# KiCad board SevenSegment.kicad_pcb (continued)
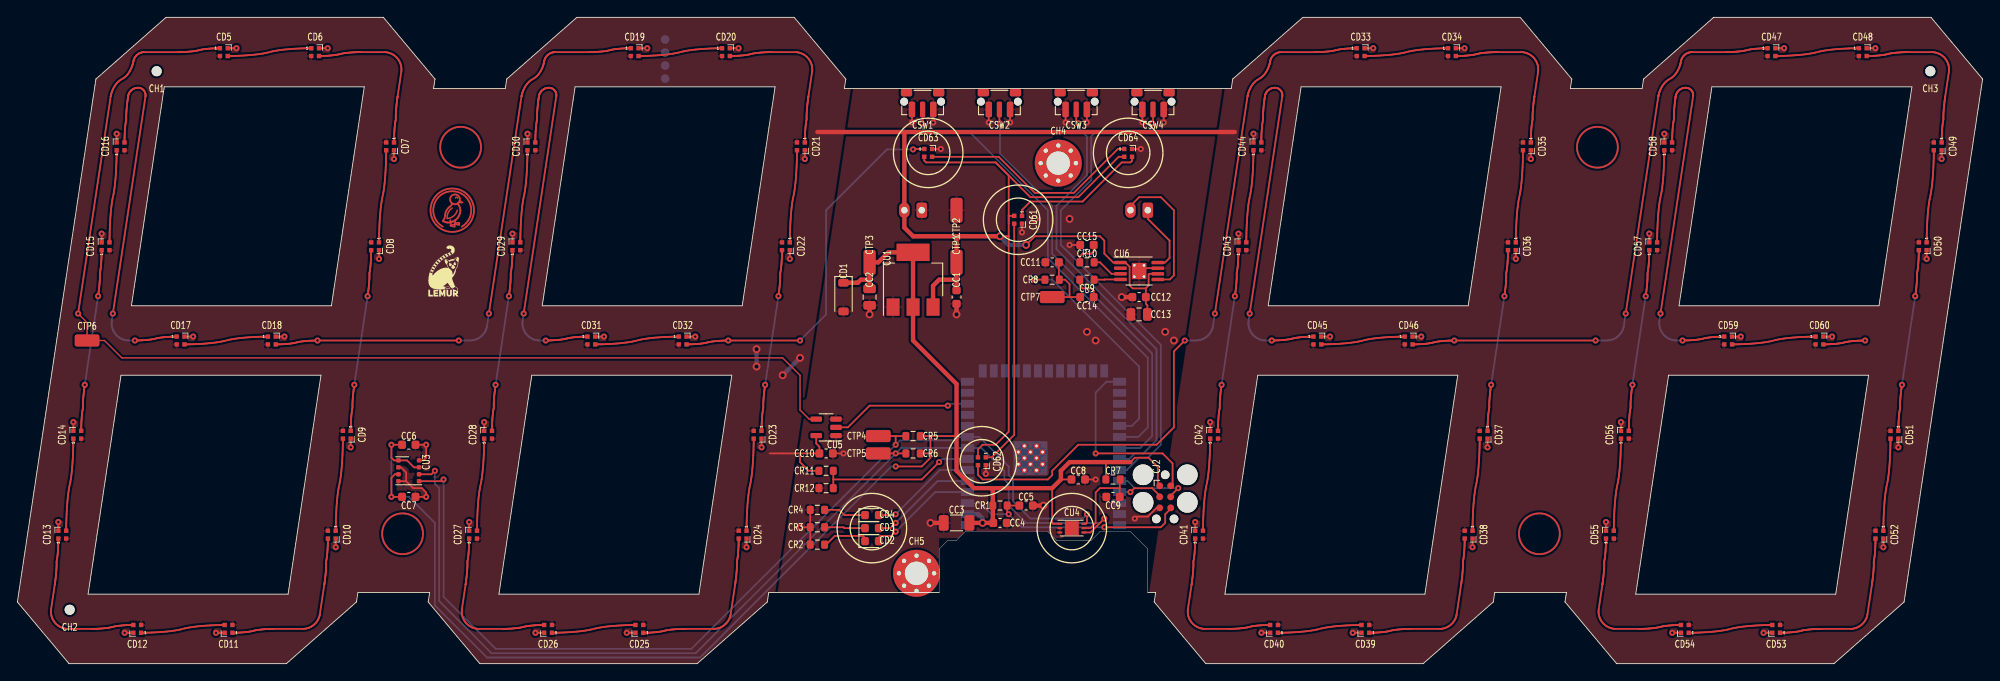
[diagram p0: board, top side]
## Routing (per net, layer and track width the routed paths; a pad name or vN(x,y) marks a point on that pad's centre or on a via; arc(x,y) is an arc through that point) (continued)
digit[3].led[12].dout: length 9.5
  Top w0.2: 197.31,36.75 197.37,36.75 197.46,36.75 197.56,36.75 197.67,36.76 197.8,36.76 197.94,36.76 198.1,36.77 198.26,36.77 198.44,36.78 198.62,36.79 198.81,36.8 199,36.81 199.2,36.82 199.41,36.83 199.62,36.85 199.83,36.86 200.05,36.88 200.26,36.9 200.47,36.93 200.68,36.95 200.89,36.98 201.09,37.01 201.29,37.04 201.48,37.08 201.67,37.12 201.85,37.16 202.18,37.24 202.36,37.28 202.55,37.32 202.74,37.36 202.94,37.39 203.14,37.42 203.35,37.45 203.56,37.47 203.77,37.5 203.99,37.52 204.2,37.54 204.41,37.55 204.62,37.57 204.82,37.58 205.03,37.59 205.22,37.6 205.41,37.61 205.59,37.62 205.77,37.63 205.93,37.63 206.09,37.64 206.23,37.64 206.36,37.64 206.47,37.65 206.57,37.65 206.66,37.65 206.72,37.65
i2c_chain_0.scl: length 114.7
  Top w0.2: CU3.4 48.81,21 v2(49.02,21.2) ; 101.02,26.2 CTP4.1 ; 101.02,26.2 CR5.2 ; 101.02,26.2 v2(101.02,25.2) ; CU4.6 122.92,16.1 123.02,16.2 v2(123.02,17.2)
  Bottom w0.2: v2(49.02,21.2) 49.02,7.7 55.02,1.7 77.52,1.7 v2(101.02,25.2) 101.52,25.7 107.61,25.7 108.02,26.1 CU2.9 110.61,26.1 114.02,22.7 114.02,21.7 114.52,21.2 114.52,18.7 116.52,16.7 122.52,16.7 v2(123.02,17.2)
i2c_chain_0.sda: length 118
  Top w0.2: v2(125.02,16.7) 123.42,15.1 CU4.4 ; v2(48.02,22.2) 47.61,21.8 CU3.3 ; CR6.2 CTP5.1
  Bottom w0.2: v2(125.02,16.7) 124.52,16.2 116.02,16.2 114.02,18.2 114.02,20.7 113.52,21.2 113.52,22.2 110.89,24.83 CU2.8 101.64,24.83 v2(101.02,24.2) 78.02,1.2 54.52,1.2 48.52,7.2 48.52,20.2 48.02,20.7 v2(48.02,22.2)
ledb.res.a: length 4.9
  Top w0.2: CR4.1 94.52,17.7 95.12,17.1 CD4.1
ledb.signal: length 12.4
  Top w0.2: CD4.2 100.92,17.1 v2(101.02,17.2)
  Bottom w0.2: v2(101.02,17.2) 106.11,22.29 CU2.6
ledg.res.a: length 4.7
  Top w0.2: CD3.1 95.12,15.6 95.02,15.7 CR3.1
ledg.signal: length 12.4
  Top w0.2: CD3.2 100.42,15.6 v2(101.02,16.2)
  Bottom w0.2: CU2.5 105.84,21.02 v2(101.02,16.2)
ledr.res.a: length 5
  Top w0.2: 97.49,14.48 97.27,14.7 94.02,14.7 93.02,13.7
ledr.signal: length 12.8
  Top w0.2: v2(101.02,15.2) 100.52,14.7 99.27,14.7 99.06,14.5 CD2.2
  Bottom w0.2: CU2.4 105.56,19.75 v2(101.02,15.2)
mcu.program_boot_node: length 22.3
  Top w0.2: v2(124.02,24.2) 131.71,24.2 132.86,23.05 132.86,20.68 CJ2.2
  Bottom w0.2: v2(124.02,24.2) 124.02,31.2 125.27,32.45 CU2.27
mcu.program_en_node: length 28.5
  Top w0.2: v2(125.02,15.7) 131.51,15.7 132.01,16.2 132.01,17.2 132.65,17.83 ; CC5.1 CR1.2 113.84,17.38 v2(114.02,17.2)
  Bottom w0.2: CU2.3 110.73,18.48 112.02,17.2 v2(114.02,17.2) 115.52,15.7 v2(125.02,15.7)
mcu.program_uart_node.a_tx: length 5.2
  Top w0.2: v2(128.01,19.75) 128.46,20.2 130.51,20.2 130.51,20.2 131.38,19.33
  Bottom w0.2: CU2.37 v2(128.01,19.75)
mcu.program_uart_node.b_tx: length 8.3
  Top w0.2: 132.65,19.33 v2(133.51,20.2)
  Bottom w0.2: CU2.36 127.69,21.02 128.52,20.2 132.01,20.2 132.01,20.2 v2(133.51,20.2)
meta.dout: length 16.1
  Top w0.2: CD61.1 115.55,52.23 116.52,53.2 122.52,53.2 127.02,57.7 128.01,57.7 128.21,57.89 CD64.3
meta.led[0].dout: length 25.9
  Top w0.2: CD63.3 112.86,58.35 117.02,54.2 121.52,54.2 126.56,59.25 CD64.1
pwr: length 192.5
  Top w0.2: 127.43,46.17 127.92,45.68 127.92,43.54 128.26,43.2 129.76,43.2 ; 114.02,49.2 v3(113.02,49.2) ; 114.02,49.2 114.02,51.6 114.06,51.55 CD61.2 ; 114.02,49.2 114.02,26.7 112.52,25.2 111.02,25.2 110.48,24.66 CD62.2 ; 90.02,24.2 86.52,24.2 ; 90.02,24.2 CC10.1 92.24,24.97 91.88,25.34 CU5.5 ; 90.02,24.2 90.02,23.2 91.02,22.2 CR11.1 ; 129.76,43.2 130.1,43.54 130.1,44.79 130.19,44.88 CU6.6 ; 129.76,43.2 129.79,43.17 CC12.1 129.79,41.42 129.97,41.25 CC13.1 ; 112.52,57.7 104.52,57.7 104.31,57.91 CD63.2 ; 112.52,57.7 114.02,56.2 114.02,50.7 ; 112.52,57.7 116.52,53.7 122.02,53.7 126.67,58.35 CD64.2 ; CU6.1 126.04,46.17 125.02,47.2 125.02,48.7 124.52,49.2 117.02,49.2 v3(116.02,48.2)
  Top w0.5: 102.02,61.2 140.01,61.2 ; 102.02,61.2 CJ1.2 102.02,50.2 103.02,49.2 108.02,49.2 ; 102.02,61.2 92.02,61.2 ; 108.02,49.2 v3(113.02,49.2) ; 108.02,49.2 CTP1.1 108.02,44.2 ; 108.02,44.2 CC1.1 ; 108.02,44.2 106.02,44.2 105.31,43.5 CU1.3
  Bottom w0.5: v3(85.02,36.2) v3(85.02,34.2) ; v3(116.02,48.2) 114.02,48.2 v3(113.02,49.2) ; v3(90.02,35.2) v3(88.02,33.2)
rgb_shift.input: length 16.2
  Top w0.2: v2(107.02,29.7) 98.02,29.7 95.52,27.2 CU5.2
  Bottom w0.2: v2(107.02,29.7) 107.22,29.91 CU2.12
rgb_shift.output: length 134.1
  Top w0.15: CU5.4 91.06,28.15 90.02,29.2 90.02,33.2 88.02,35.2 12.02,35.2 10.02,37.2 CTP6.1 8.02,39.26 v2(6.98,40.3)
  Top w0.2: v2(6.98,40.3) 10.73,65.3 10.74,65.34 10.74,65.37 10.75,65.41 10.76,65.45 10.77,65.5 10.79,65.56 10.81,65.62 10.83,65.69 10.85,65.76 10.87,65.84 10.9,65.91 10.94,66 10.97,66.08 11.01,66.17 11.06,66.25 11.1,66.34 11.15,66.43 11.21,66.52 11.27,66.61 11.33,66.7 11.4,66.78 11.48,66.87 11.56,66.95 11.64,67.03 11.73,67.1 11.82,67.17 11.92,67.24 12.14,67.36 12.24,67.43 12.33,67.5 12.42,67.57 12.5,67.65 12.58,67.73 12.66,67.82 12.73,67.9 12.79,67.99 12.85,68.08 12.91,68.17 12.96,68.26 13,68.34 13.05,68.43 13.09,68.52 13.12,68.6 13.16,68.69 13.19,68.76 13.21,68.84 13.23,68.91 13.25,68.98 13.27,69.04 13.29,69.1 13.3,69.15 13.31,69.19 13.32,69.23 13.32,69.26 13.34,69.36 13.36,69.42 13.37,69.48 13.39,69.54 13.41,69.6 13.44,69.66 13.47,69.71 13.5,69.76 13.53,69.82 13.56,69.87 13.6,69.91 13.64,69.96 13.68,70 13.72,70.05 13.76,70.09 13.81,70.12 13.86,70.16 13.91,70.19 13.96,70.23 14.01,70.25 14.07,70.28 14.12,70.31 14.18,70.33 14.24,70.35 14.3,70.36 14.36,70.38 14.42,70.39 14.48,70.39 14.54,70.4 14.61,70.4 18.54,70.4 18.57,70.4 18.62,70.4 18.72,70.4 18.79,70.4 18.86,70.41 18.94,70.41 19.02,70.41 19.11,70.41 19.2,70.42 19.29,70.42 19.39,70.43 19.49,70.43 19.59,70.44 19.8,70.46 19.91,70.47 20.02,70.48 20.12,70.49 20.23,70.5 20.33,70.51 20.43,70.53 20.53,70.55 20.63,70.56 20.72,70.58 20.81,70.6 20.98,70.65 21.07,70.67 21.16,70.69 21.26,70.7 21.36,70.72 21.46,70.73 21.56,70.75 21.67,70.76 21.77,70.77 21.99,70.79 22.2,70.81 22.3,70.82 22.4,70.82 22.5,70.83 22.59,70.83 22.69,70.84 22.77,70.84 22.85,70.84 22.93,70.84 23,70.85 23.12,70.85 23.17,70.85
spk_chain_0: length 25.9
  Top w0.2: v2(117.02,44.2) CR8.1
  Bottom w0.2: v2(117.02,44.2) 119.02,44.2 129.01,34.2 129.01,28.2 128.19,27.37 CU2.31
spk_chain_1: length 8.1
  Top w0.2: CR8.2 120.52,44.2 121.02,43.7 121.02,42.2 ; CC14.2 121.02,42.2 ; 121.02,42.2 CTP7.1 ; CC11.1 119.79,44.25
spk_chain_2.a: length 8.1
  Top w0.2: CJ3.1 130.01,51.2 132.51,48.7 132.51,46.7 131.99,46.17 CU6.8
spk_chain_2.b: length 15.6
  Top w0.2: CU6.5 132.54,44.22 133.01,44.7 133.01,52.2 131.51,53.7 129.01,53.7 128.01,52.7
spk_drv.inn_cap.pos: length 3.2
  Top w0.2: CC15.1 123.79,47.47 123.52,47.2 122.52,47.2 122.19,46.88 CR10.1
spk_drv.inn_res.b: length 3.6
  Top w0.2: CR10.2 124.52,46.2 125.84,44.88 CU6.3
spk_drv.inp_cap.pos: length 3.2
  Top w0.2: CR9.1 122.19,43.52 122.52,43.2 123.52,43.2 123.79,42.92 CC14.1
spk_drv.inp_res.b: length 3
  Top w0.2: CU6.4 125.04,44.22 125.02,44.2 CR9.2
sw[0].out: length 54
  Top w0.2: v2(104.02,62.2) 104.11,62.3 CSW1.2
  Bottom w0.2: v2(104.02,62.2) 104.02,61.7 104.52,61.2 109.52,61.2 118.52,52.2 118.52,46.7 130.01,35.2 130.01,27.2 128.91,26.1 CU2.32
sw[1].out: length 49.2
  Top w0.2: v2(113.02,62.2) 112.95,62.27 CSW2.2
  Bottom w0.2: CU2.33 129.15,24.83 130.51,26.2 130.51,35.7 119.02,47.2 119.02,52.7 113.02,58.7 v2(113.02,62.2)
sw[2].out: length 50
  Top w0.2: v2(122.02,62.2) 121.78,62.43 CSW3.2
  Bottom w0.2: CU2.34 127.88,23.56 128.51,24.2 129.51,24.2 131.01,25.7 131.01,36.2 119.52,47.7 119.52,52.7 123.02,56.2 123.02,60.7 122.02,61.7 v2(122.02,62.2)
sw[3].out: length 57.2
  Top w0.2: v2(130.51,62.2) 130.62,62.3 CSW4.2
  Bottom w0.2: CU2.35 127.61,22.29 129.01,23.7 130.01,23.7 131.51,25.2 131.51,36.7 120.02,48.2 120.02,52.2 123.52,55.7 123.52,60.7 124.02,61.2 130.01,61.2 130.51,61.7 v2(130.51,62.2)

## Copper pours and planes (outline as drawn; the poured copper is in the pictures)
gnd on Top, Bottom: -0.98,-0.8 -0.98,75.2 227.01,75.2 227.01,-0.8
pwr on Top: 227.01,-0.8 227.01,75.2 139.01,75.2 139.01,67.2 130.01,7.2 130.01,-0.8
pwr on Top: -0.98,-0.8 -0.98,75.2 96.02,75.2 96.02,67.2 87.02,7.2 87.02,-0.8
